# KiCad board q2v2.kicad_pcb (continued)
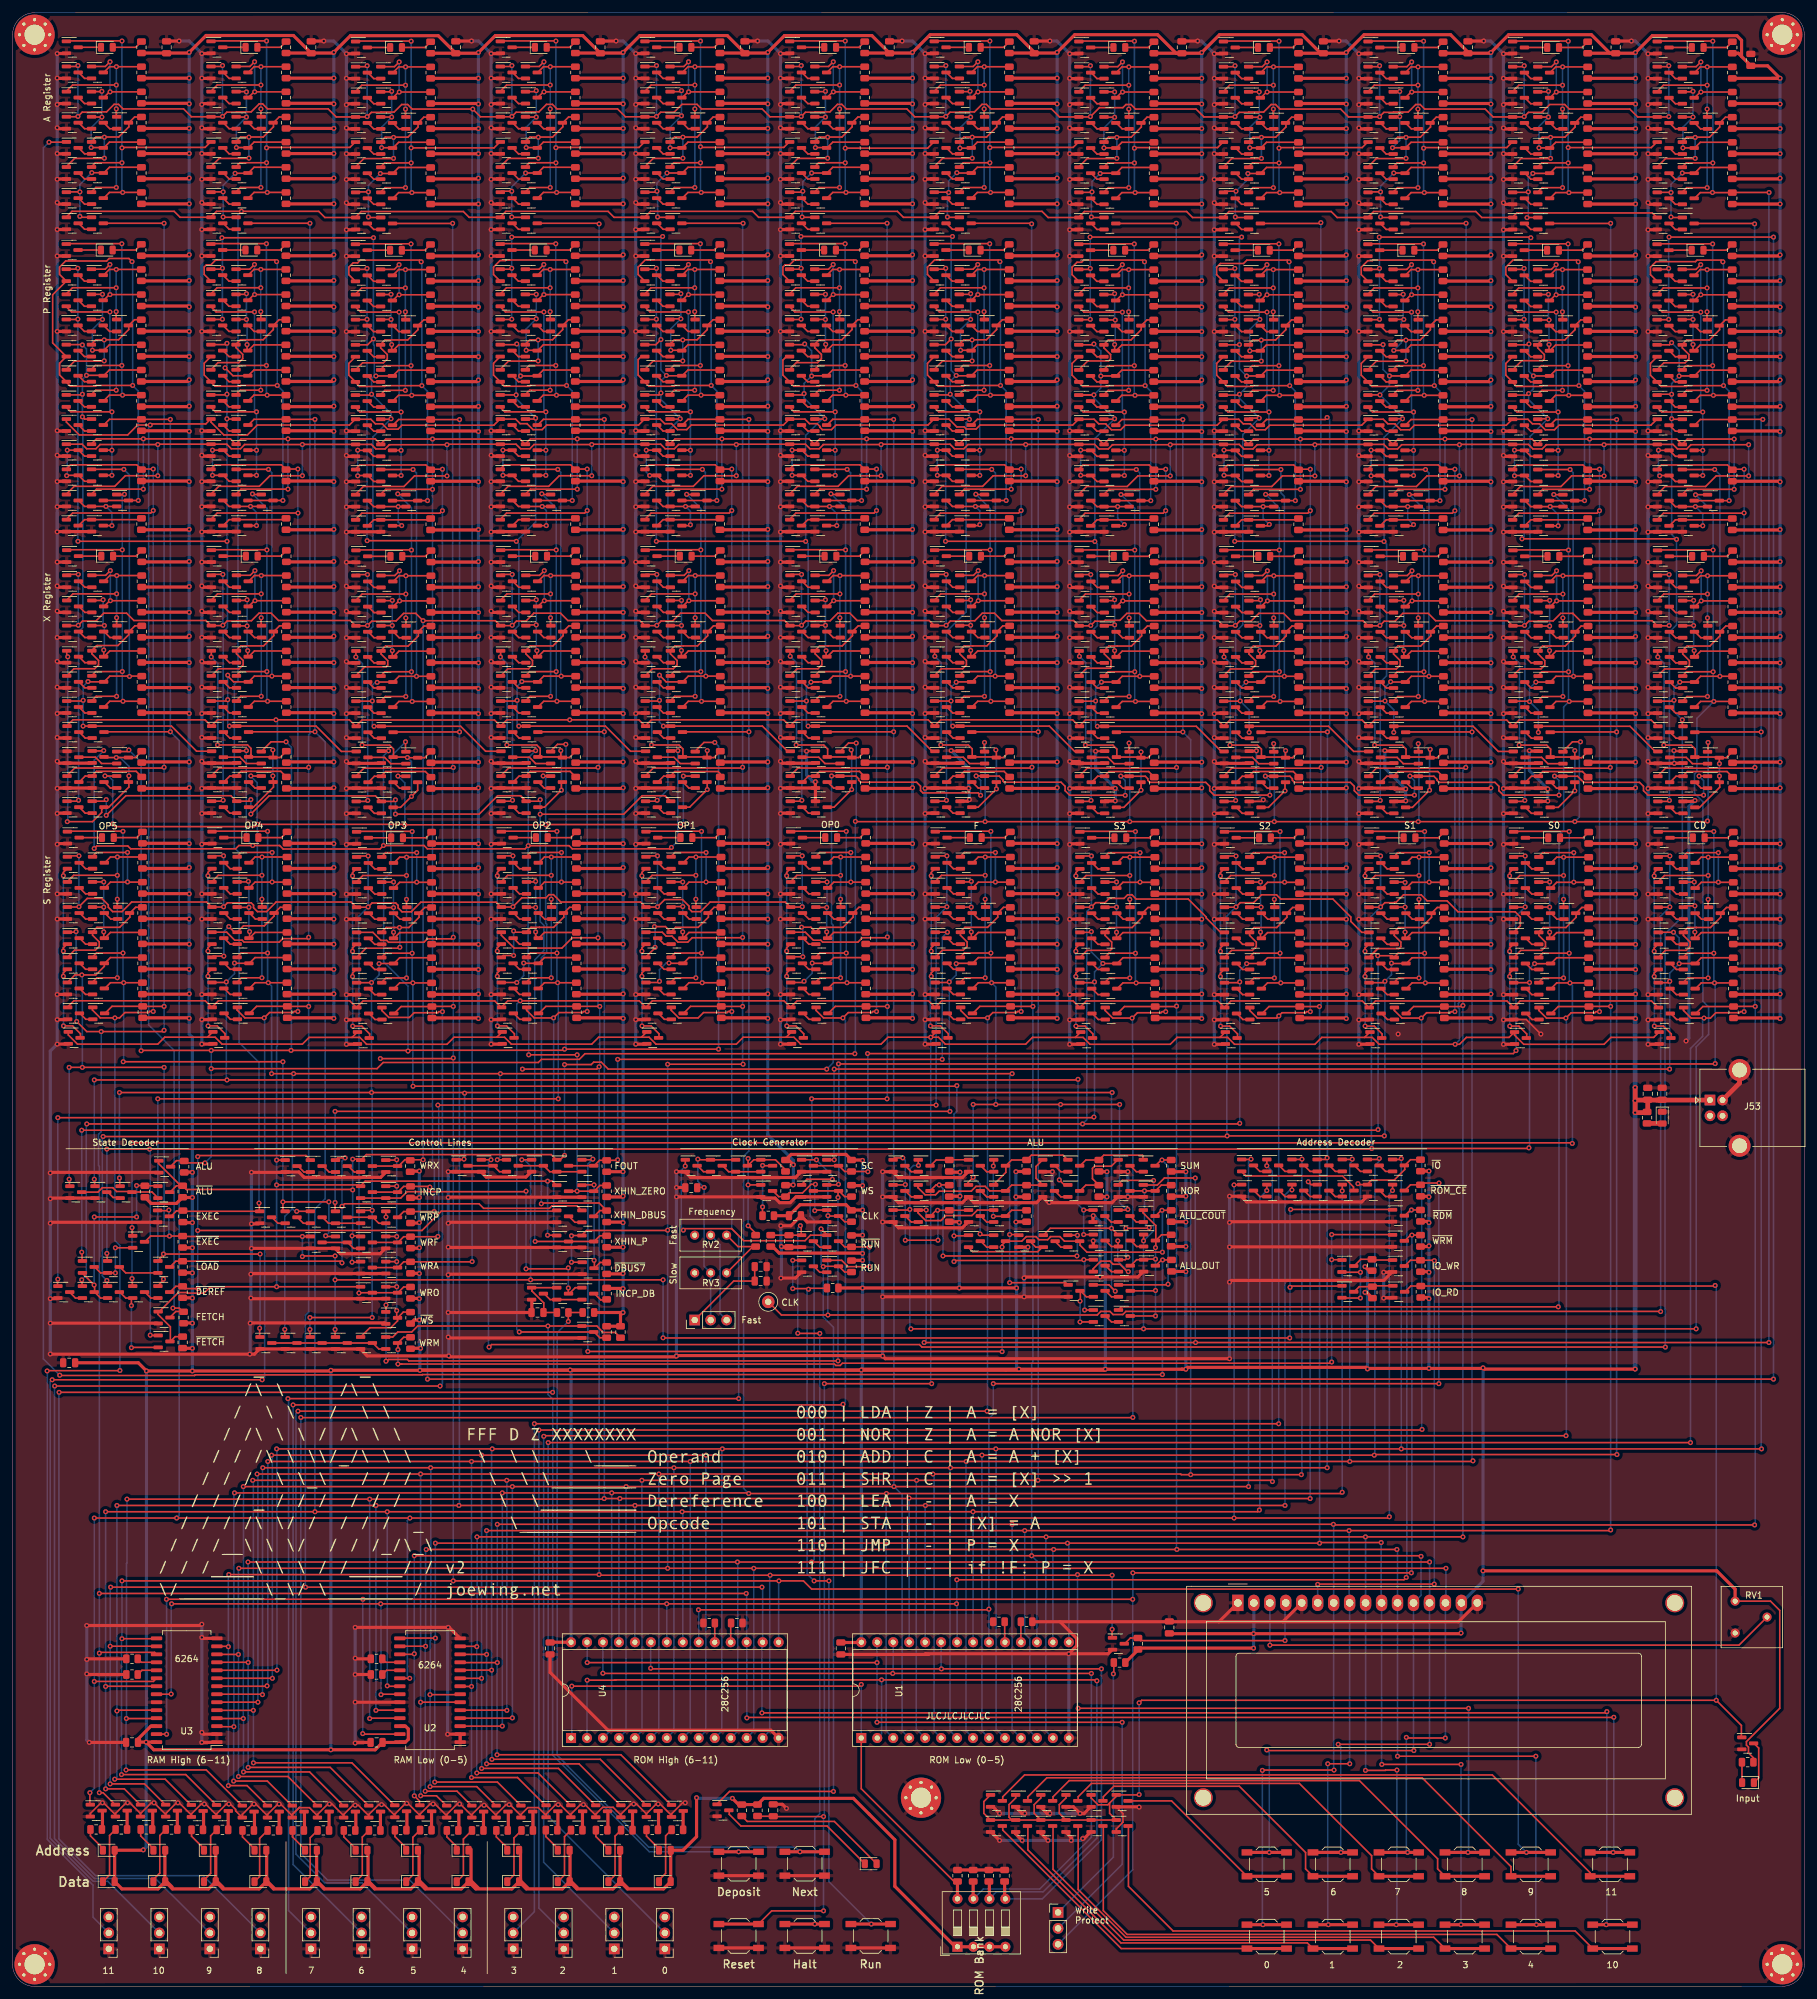
[diagram p0: board, top side]
## Placement (name value [footprint] x y rotation side) (continued)
R353  10k  [R_0805_2012Metric]  204.53 260.24 90 top
R354  10k  [R_0805_2012Metric]  204.71 158.76 90 top
R355  10k  [R_0805_2012Metric]  204.71 174.76 90 top
R356  4.7k  [R_0805_2012Metric]  204.71 182.76 90 top
R357  10k  [R_0805_2012Metric]  204.71 162.76 90 top
R358  10k  [R_0805_2012Metric]  204.71 178.76 90 top
R359  10k  [R_0805_2012Metric]  204.71 170.76 90 top
R360  10k  [R_0805_2012Metric]  204.71 166.76 90 top
R361  10k  [R_0805_2012Metric]  227.55 248.4 90 top
R362  10k  [R_0805_2012Metric]  227.75 155 90 top
R363  10k  [R_0805_2012Metric]  227.55 284.5 90 top
R364  10k  [R_0805_2012Metric]  227.55 300.5 90 top
R365  4.7k  [R_0805_2012Metric]  227.55 308.5 90 top
R366  10k  [R_0805_2012Metric]  227.55 288.5 90 top
R367  10k  [R_0805_2012Metric]  227.55 304.5 90 top
R368  10k  [R_0805_2012Metric]  227.55 296.5 90 top
R369  10k  [R_0805_2012Metric]  227.55 292.5 90 top
R370  10k  [R_0805_2012Metric]  227.6 195.6 90 top
R371  10k  [R_0805_2012Metric]  227.6 191.5 90 top
R372  10k  [R_0805_2012Metric]  227.6 203.54 90 top
R373  10k  [R_0805_2012Metric]  227.6 219.54 90 top
R374  4.7k  [R_0805_2012Metric]  227.6 227.54 90 top
R375  10k  [R_0805_2012Metric]  227.6 207.54 90 top
R376  10k  [R_0805_2012Metric]  227.6 223.54 90 top
R377  10k  [R_0805_2012Metric]  227.6 215.54 90 top
R378  10k  [R_0805_2012Metric]  227.6 211.54 90 top
R379  10k  [R_0805_2012Metric]  227.55 240.4 90 top
R380  10k  [R_0805_2012Metric]  227.55 232.65 90 top
R381  10k  [R_0805_2012Metric]  227.53 252.24 90 top
R382  10k  [R_0805_2012Metric]  227.53 268.24 90 top
R383  4.7k  [R_0805_2012Metric]  227.53 276.24 90 top
R384  10k  [R_0805_2012Metric]  227.53 256.24 90 top
R385  10k  [R_0805_2012Metric]  227.53 272.24 90 top
R386  10k  [R_0805_2012Metric]  227.53 264.24 90 top
R387  10k  [R_0805_2012Metric]  227.53 260.24 90 top
R388  10k  [R_0805_2012Metric]  227.71 158.76 90 top
R389  10k  [R_0805_2012Metric]  227.71 174.76 90 top
R390  4.7k  [R_0805_2012Metric]  227.71 182.76 90 top
R391  10k  [R_0805_2012Metric]  227.71 162.76 90 top
R392  10k  [R_0805_2012Metric]  227.71 178.76 90 top
R393  10k  [R_0805_2012Metric]  227.71 170.76 90 top
R394  10k  [R_0805_2012Metric]  227.71 166.76 90 top
R395  10k  [R_0805_2012Metric]  250.55 248.4 90 top
R396  10k  [R_0805_2012Metric]  250.75 155 90 top
R397  10k  [R_0805_2012Metric]  250.55 284.5 90 top
R398  10k  [R_0805_2012Metric]  250.55 300.5 90 top
R399  4.7k  [R_0805_2012Metric]  250.55 308.5 90 top
R400  10k  [R_0805_2012Metric]  250.55 288.5 90 top
R401  10k  [R_0805_2012Metric]  250.55 304.5 90 top
R402  10k  [R_0805_2012Metric]  250.55 296.5 90 top
R403  10k  [R_0805_2012Metric]  250.55 292.5 90 top
R404  10k  [R_0805_2012Metric]  250.6 195.6 90 top
R405  10k  [R_0805_2012Metric]  250.6 191.5 90 top
R406  10k  [R_0805_2012Metric]  250.6 203.54 90 top
R407  10k  [R_0805_2012Metric]  250.6 219.54 90 top
R408  4.7k  [R_0805_2012Metric]  250.6 227.54 90 top
R409  10k  [R_0805_2012Metric]  250.6 207.54 90 top
R410  10k  [R_0805_2012Metric]  250.6 223.54 90 top
R411  10k  [R_0805_2012Metric]  250.6 215.54 90 top
R412  10k  [R_0805_2012Metric]  250.6 211.54 90 top
R413  10k  [R_0805_2012Metric]  250.55 240.4 90 top
R414  10k  [R_0805_2012Metric]  250.55 232.65 90 top
R415  10k  [R_0805_2012Metric]  250.53 252.24 90 top
R416  10k  [R_0805_2012Metric]  250.53 268.24 90 top
R417  4.7k  [R_0805_2012Metric]  250.53 276.24 90 top
R418  10k  [R_0805_2012Metric]  250.53 256.24 90 top
R419  10k  [R_0805_2012Metric]  250.53 272.24 90 top
R420  10k  [R_0805_2012Metric]  250.53 264.24 90 top
R421  10k  [R_0805_2012Metric]  250.53 260.24 90 top
R422  10k  [R_0805_2012Metric]  250.71 158.76 90 top
R423  10k  [R_0805_2012Metric]  250.71 174.76 90 top
R424  4.7k  [R_0805_2012Metric]  250.71 182.76 90 top
R425  10k  [R_0805_2012Metric]  250.71 162.76 90 top
R426  10k  [R_0805_2012Metric]  250.71 178.76 90 top
R427  10k  [R_0805_2012Metric]  250.71 170.76 90 top
R428  10k  [R_0805_2012Metric]  250.71 166.76 90 top
R429  10k  [R_0805_2012Metric]  273.55 248.4 90 top
R430  10k  [R_0805_2012Metric]  273.75 155 90 top
R431  10k  [R_0805_2012Metric]  273.55 284.5 90 top
R432  10k  [R_0805_2012Metric]  273.55 300.5 90 top
R433  4.7k  [R_0805_2012Metric]  273.55 308.5 90 top
R434  10k  [R_0805_2012Metric]  273.55 288.5 90 top
R435  10k  [R_0805_2012Metric]  273.55 304.5 90 top
R436  10k  [R_0805_2012Metric]  273.55 296.5 90 top
R437  10k  [R_0805_2012Metric]  273.55 292.5 90 top
R438  10k  [R_0805_2012Metric]  273.6 195.6 90 top
R439  10k  [R_0805_2012Metric]  273.6 191.5 90 top
R440  10k  [R_0805_2012Metric]  273.6 203.54 90 top
R441  10k  [R_0805_2012Metric]  273.6 219.54 90 top
R442  4.7k  [R_0805_2012Metric]  273.6 227.54 90 top
R443  10k  [R_0805_2012Metric]  273.6 207.54 90 top
R444  10k  [R_0805_2012Metric]  273.6 223.54 90 top
R445  10k  [R_0805_2012Metric]  273.6 215.54 90 top
R446  10k  [R_0805_2012Metric]  273.6 211.54 90 top
R447  10k  [R_0805_2012Metric]  273.55 240.4 90 top
R448  10k  [R_0805_2012Metric]  273.55 232.65 90 top
R449  10k  [R_0805_2012Metric]  273.53 252.24 90 top
R450  10k  [R_0805_2012Metric]  273.53 268.24 90 top
R451  4.7k  [R_0805_2012Metric]  273.53 276.24 90 top
R452  10k  [R_0805_2012Metric]  273.53 256.24 90 top
R453  10k  [R_0805_2012Metric]  273.53 272.24 90 top
R454  10k  [R_0805_2012Metric]  273.53 264.24 90 top
R455  10k  [R_0805_2012Metric]  273.53 260.24 90 top
R456  10k  [R_0805_2012Metric]  273.71 158.76 90 top
R457  10k  [R_0805_2012Metric]  273.71 174.76 90 top
R458  4.7k  [R_0805_2012Metric]  273.71 182.76 90 top
R459  10k  [R_0805_2012Metric]  273.71 162.76 90 top
R460  10k  [R_0805_2012Metric]  273.71 178.76 90 top
R461  10k  [R_0805_2012Metric]  273.71 170.76 90 top
R462  10k  [R_0805_2012Metric]  273.71 166.76 90 top
R463  10k  [R_0805_2012Metric]  223.95 114.63 90 top
R464  10k  [R_0805_2012Metric]  57.9 52.13 180 top
R465  10k  [R_0805_2012Metric]  216.25 114.78 90 top
R466  4.7k  [R_0805_2012Metric]  13.3 24.98 0 top
R467  10k  [R_0805_2012Metric]  19 49.63 180 top
R468  4.7k  [R_0805_2012Metric]  17.3 24.98 0 top
R469  10k  [R_0805_2012Metric]  19 52.13 180 top
R470  10k  [R_0805_2012Metric]  223.95 130.63 90 top
R471  10k  [R_0805_2012Metric]  223.95 126.63 90 top
R472  10k  [R_0805_2012Metric]  223.95 118.63 90 top
R473  10k  [R_0805_2012Metric]  223.95 122.63 90 top
R474  4.7k  [R_0805_2012Metric]  21.29 24.97 0 top
R475  4.7k  [R_0805_2012Metric]  25.29 24.97 0 top
R476  10k  [R_0805_2012Metric]  118.5 28.03 270 top
R477  10k  [R_0805_2012Metric]  96.7 104.13 270 top
R478  10k  [R_0805_2012Metric]  94.5 104.13 270 top
R479  4.7k  [R_0805_2012Metric]  29.38 24.92 0 top
R480  4.7k  [R_0805_2012Metric]  33.38 24.92 0 top
R481  10k  [R_0805_2012Metric]  179 54.53 90 top
R482  4.7k  [R_0805_2012Metric]  37.48 24.82 0 top
R483  4.7k  [R_0805_2012Metric]  41.48 24.82 0 top
R484  4.7k  [R_0805_2012Metric]  45.43 24.82 0 top
R485  4.7k  [R_0805_2012Metric]  49.43 24.82 0 top
R486  4.7k  [R_0805_2012Metric]  53.6 24.82 0 top
R487  4.7k  [R_0805_2012Metric]  57.6 24.82 0 top
R488  4.7k  [R_0805_2012Metric]  61.73 24.87 0 top
R489  4.7k  [R_0805_2012Metric]  65.73 24.87 0 top
R490  4.7k  [R_0805_2012Metric]  69.99 24.82 0 top
R491  4.7k  [R_0805_2012Metric]  73.99 24.82 0 top
R492  4.7k  [R_0805_2012Metric]  77.86 24.82 0 top
R493  4.7k  [R_0805_2012Metric]  81.86 24.82 0 top
R494  4.7k  [R_0805_2012Metric]  85.74 24.87 0 top
R495  4.7k  [R_0805_2012Metric]  89.74 24.87 0 top
R496  4.7k  [R_0805_2012Metric]  93.7 24.87 0 top
R497  4.7k  [R_0805_2012Metric]  97.7 24.87 0 top
R498  4.7k  [R_0805_2012Metric]  101.75 24.92 0 top
R499  4.7k  [R_0805_2012Metric]  105.75 24.92 0 top
R500  4.7k  [R_0805_2012Metric]  116 28.03 270 top
R501  10k  [R_0805_2012Metric]  161.3 58.03 0 top
R502  10k  [R_0805_2012Metric]  156.9 58.03 180 top
R503  10k  [R_0805_2012Metric]  115.2 57.83 0 top
R504  10k  [R_0805_2012Metric]  110.8 57.83 180 top
R505  10k  [R_0805_2012Metric]  176.09 51.53 0 top
R506  10k  [R_0805_2012Metric]  157.8 17.61 90 top
R507  10k  [R_0805_2012Metric]  155.3 17.61 90 top
R508  10k  [R_0805_2012Metric]  152.8 17.61 90 top
R509  10k  [R_0805_2012Metric]  150.3 17.61 90 top
RV1  10k  [Potentiometer_Bourns_3386F_Vertical]  274 56.23 0 top
RV2  1m  [Potentiometer_Bourns_3296W_Vertical]  108.5 119.53 180 top
RV3  1m  [Potentiometer_Bourns_3296W_Vertical]  108.5 113.53 180 top
SW1  Input  [SW_SPST_TL3342]  254.1 19.43 0 top
SW2  SW  [PinHeader_1x03_P2.54mm_Vertical]  15.3 5.98 180 top
SW3  SW  [PinHeader_1x03_P2.54mm_Vertical]  23.34 5.98 180 top
SW4  Reset  [SW_SPST_TL3342]  115.5 8.03 0 top
SW5  Deposit  [SW_SPST_TL3342]  115.5 19.53 0 top
SW6  Run  [SW_SPST_TL3342]  136.5 8.03 0 top
SW7  Halt  [SW_SPST_TL3342]  126 8.03 0 top
SW8  Next  [SW_SPST_TL3342]  126 19.53 0 top
SW9  SW  [PinHeader_1x03_P2.54mm_Vertical]  31.38 5.98 180 top
SW10  Input  [SW_SPST_TL3342]  254.5 7.93 0 top
SW11  Input  [SW_SPST_TL3342]  241.5 19.43 0 top
SW12  SW  [PinHeader_1x03_P2.54mm_Vertical]  39.42 5.98 180 top
SW14  Input  [SW_SPST_TL3342]  231 19.43 0 top
SW15  Input  [SW_SPST_TL3342]  220.5 19.43 0 top
SW16  SW  [PinHeader_1x03_P2.54mm_Vertical]  47.46 5.98 180 top
SW17  SW  [PinHeader_1x03_P2.54mm_Vertical]  55.5 5.98 180 top
SW18  SW  [PinHeader_1x03_P2.54mm_Vertical]  63.55 5.98 180 top
SW19  SW  [PinHeader_1x03_P2.54mm_Vertical]  71.59 5.98 180 top
SW20  SW  [PinHeader_1x03_P2.54mm_Vertical]  79.63 5.98 180 top
SW21  SW  [PinHeader_1x03_P2.54mm_Vertical]  87.67 5.98 180 top
SW22  SW  [PinHeader_1x03_P2.54mm_Vertical]  95.71 5.98 180 top
SW23  SW  [PinHeader_1x03_P2.54mm_Vertical]  103.75 5.98 180 top
SW24  Speed  [PinHeader_1x03_P2.54mm_Vertical]  108.5 106.03 90 top
SW25  Input  [SW_SPST_TL3342]  210 19.43 0 top
SW26  Input  [SW_SPST_TL3342]  199.5 19.43 0 top
SW27  Input  [SW_SPST_TL3342]  241.5 7.93 0 top
SW28  Input  [SW_SPST_TL3342]  231 7.93 0 top
SW29  Input  [SW_SPST_TL3342]  220.5 7.93 0 top
SW30  Input  [SW_SPST_TL3342]  210 7.93 0 top
SW31  Input  [SW_SPST_TL3342]  199.5 7.93 0 top
SW32  Write Protect  [PinHeader_1x03_P2.54mm_Vertical]  166.3 11.78 0 top
SW33  ROM Bank  [SW_DIP_SPSTx04_Slide_9.78x12.34mm_W7.62mm_P2.54mm]  150.3 6.31 90 top
TP1  CLK  [TestPoint_Loop_D2.50mm_Drill1.0mm]  120.2 108.93 0 top
U1  28C256  [DIP-28_W15.24mm_Socket]  135 39.53 90 top
U2  6264  [SOIC-28W_7.5x18.7mm_P1.27mm]  66.4 47.13 180 top
U3  6264  [SOIC-28W_7.5x18.7mm_P1.27mm]  27.7 47.13 180 top
U4  28C256  [DIP-28_W15.24mm_Socket]  88.83 39.53 90 top

## Library data of the parts
C1-C3 C5-C16 C19-C23 = -: LCSC: C49678
C4 = -: LCSC: C1710
C17 C18 C24-C27 = -: LCSC: C13967
D1-D48 D73-D75 = -: LCSC: C2293
D49-D72 = -: LCSC: C34499
Q1-Q1158 = -: LCSC: C8545
R1-R3 R5-R10 R12-R19 R21-R28 R30-R39 R41-R48 R50-R57 R59-R64 R66-R78 R80-R82 R84 R85 R87 R89-R91 R93-R96 R99-R110 R113-R126 R128-R135 R137-R144 R146-R151 R153-R160 R162-R169 R171-R178 R180-R185 R187-R194 R196-R203 R205-R212 R214-R219 R221-R228 R230-R237 R239-R246 R248-R253 R255-R262 R264-R271 R273-R280 R282-R287 R289-R296 R298-R305 R307-R314 R316-R321 R323-R330 R332-R339 R341-R348 R350-R355 R357-R364 R366-R373 R375-R382 R384-R389 R391-R398 R400-R407 R409-R416 R418-R423 R425-R432 R434-R441 R443-R450 R452-R457 R459-R465 R467 R469-R473 R476-R478 R481 R501-R509 = -: LCSC: C17414
R4 R11 R20 R29 R40 R49 R58 R65 R111 R112 R127 R136 R145 R152 R161 R170 R179 R186 R195 R204 R213 R220 R229 R238 R247 R254 R263 R272 R281 R288 R297 R306 R315 R322 R331 R340 R349 R356 R365 R374 R383 R390 R399 R408 R417 R424 R433 R442 R451 R458 R466 R468 R474 R475 R479 R480 R482-R500 = -: LCSC: C17673
R79 R83 R86 R88 R92 R97 R98 = -: LCSC: C17513
SW1 SW4-SW8 SW10 SW11 SW14 SW15 SW25-SW31 = -: LCSC: C318884
U2 U3 = -: LCSC: C261872

## Footprints (pads in the part's own frame, mm; a bottom-side part is the same pattern mirrored in y, then rotated)
C_0805_2012Metric
  rrect 1x1.45 smd: 1(-0.95,0) 2(0.95,0)
DIP-28_W15.24mm_Socket
  rect 1.6x1.6 hole 0.8: 1(0,0)
  oval 1.6x1.6 hole 0.8: 2(0,-2.54) 3(0,-5.08) 4(0,-7.62) 5(0,-10.16) 6(0,-12.7) 7(0,-15.24) 8(0,-17.78) 9(0,-20.32) 10(0,-22.86) 11(0,-25.4) 12(0,-27.94) 13(0,-30.48) 14(0,-33.02) 15(15.24,-33.02) 16(15.24,-30.48) 17(15.24,-27.94) 18(15.24,-25.4) 19(15.24,-22.86) 20(15.24,-20.32) 21(15.24,-17.78) 22(15.24,-15.24) 23(15.24,-12.7) 24(15.24,-10.16) 25(15.24,-7.62) 26(15.24,-5.08) 27(15.24,-2.54) 28(15.24,0)
LED_0805_2012Metric
  rrect 0.975x1.4 smd: 1(-0.938,0) 2(0.938,0)
MountingHole_3.2mm_M3_Pad_Via
  round 0.8 hole 0.5: 1(-2.4,0) 1(-1.697,1.697) 1(-1.697,-1.697) 1(0,2.4) 1(0,-2.4) 1(1.697,1.697) 1(1.697,-1.697) 1(2.4,0)
  round 6.4 hole 3.2: 1(0,0)
PinHeader_1x03_P2.54mm_Vertical
  rect 1.7x1.7 hole 1: 1(0,0)
  oval 1.7x1.7 hole 1: 2(0,-2.54) 3(0,-5.08)
Potentiometer_Bourns_3296W_Vertical
  round 1.44 hole 0.8: 1(0,0) 2(-2.54,0) 3(-5.08,0)
Potentiometer_Bourns_3386F_Vertical
  round 1.44 hole 0.8: 1(0,0) 2(5.08,2.54) 3(0,5.08)
R_0805_2012Metric
  rrect 1.025x1.4 smd: 1(-0.912,0) 2(0.912,0)
SOIC-28W_7.5x18.7mm_P1.27mm
  rrect 1.8x0.6 smd: 1(-4.8,8.255) 2(-4.8,6.985) 3(-4.8,5.715) 4(-4.8,4.445) 5(-4.8,3.175) 6(-4.8,1.905) 7(-4.8,0.635) 8(-4.8,-0.635) 9(-4.8,-1.905) 10(-4.8,-3.175) 11(-4.8,-4.445) 12(-4.8,-5.715) 13(-4.8,-6.985) 14(-4.8,-8.255) 15(4.8,-8.255) 16(4.8,-6.985) 17(4.8,-5.715) 18(4.8,-4.445) 19(4.8,-3.175) 20(4.8,-1.905) 21(4.8,-0.635) 22(4.8,0.635) 23(4.8,1.905) 24(4.8,3.175) 25(4.8,4.445) 26(4.8,5.715) 27(4.8,6.985) 28(4.8,8.255)
SOT-23
  rrect 1.475x0.6 smd: 1(-0.938,0.95) 2(-0.938,-0.95) 3(0.938,0)
SW_DIP_SPSTx04_Slide_9.78x12.34mm_W7.62mm_P2.54mm
  rect 1.6x1.6 hole 0.8: 1(0,0)
  oval 1.6x1.6 hole 0.8: 2(0,-2.54) 3(0,-5.08) 4(0,-7.62) 5(7.62,-7.62) 6(7.62,-5.08) 7(7.62,-2.54) 8(7.62,0)
SW_SPST_TL3342
  rect 1.7x1 smd: 1(-3.15,1.9) 1(3.15,1.9) 2(-3.15,-1.9) 2(3.15,-1.9)
TestPoint_Loop_D2.50mm_Drill1.0mm
  round 2 hole 1: 1(0,0)
USB_B_OST_USB-B1HSxx_Horizontal
  rect 1.7x1.7 hole 0.92: 1(0,0)
  round 1.7 hole 0.92: 2(0,-2.5) 3(2,-2.5) 4(2,0)
  round 3.5 hole 2.33: 5(4.71,4.77) 5(4.71,-7.27)
WC1602A
  round 3 hole 2.5: (-5.499,0) (-5.499,-31.001) (69.499,-31.001) (69.5,0)
  rect 1.8x2.6 hole 1.2: 1(0,0)
  oval 1.8x2.6 hole 1.2: 2(2.54,0) 3(5.08,0) 4(7.62,0) 5(10.16,0) 6(12.7,0) 7(15.24,0) 8(17.78,0) 9(20.32,0) 10(22.86,0) 11(25.4,0) 12(27.94,0) 13(30.48,0) 14(33.02,0) 15(35.56,0) 16(38.1,0)

## Nets
GND: C1.2 C2.2 C3.1 C4.1 C5.1 C6.1 C7.2 C8.2 C9.2 C10.2 C11.2 C12.2 C13.2 C14.2 C15.2 C16.2 C17.2 C18.2 C19.1 C20.1 C21.1 C22.1 C23.1 C24.1 C25.2 C26.1 C27.2 D73.1 DS1.1 DS1.5 DS1.16 H1.1 H2.1 H3.1 H4.1 H5.1 J53.4 J53.5 Q1.2 Q3.2 Q4.2 Q6.2 Q9.2 Q10.2 Q13.2 Q14.2 Q17.2 Q19.2 Q20.2 Q25.2 Q26.2 Q27.2 Q28.2 Q29.1 Q29.2 Q30.2 Q33.2 Q34.2 Q37.2 Q38.2 Q41.2 Q43.2 Q44.2 Q46.2 Q51.2 Q52.2 Q53.2 Q54.2 Q55.2 Q66.2 Q69.2 Q70.2 Q71.2 Q74.2 Q75.2 Q82.2 Q86.2 Q88.2 Q91.2 Q92.2 Q93.2 Q96.2 Q97.2 Q100.2 Q102.2 Q107.2 Q108.2 Q109.2 Q110.2 Q111.2 Q112.2 Q115.2 Q116.2 Q117.2 Q120.2 Q121.2 Q124.2 Q126.2 Q128.2 Q133.2 Q134.2 Q135.2 Q136.2 Q137.2 Q142.2 Q149.2 Q152.2 Q153.2 Q156.2 Q157.2 Q158.2 Q165.2 Q177.2 Q180.2 Q181.2 Q182.2 Q183.2 Q184.2 Q185.2 Q186.2 Q187.2 Q188.2 Q190.2 Q191.2 Q192.2 Q193.2 Q194.2 Q197.2 Q198.2 Q200.2 Q202.2 Q205.2 Q206.2 Q210.2 Q215.2 Q217.2 Q219.2 Q220.2 Q221.2 Q222.2 Q223.2 Q224.2 Q225.2 Q226.2 Q227.2 Q230.2 Q231.2 Q233.2 Q234.2 Q235.2 Q238.2 Q239.2 Q242.2 Q244.2 Q247.2 Q248.2 Q249.2 Q252.2 Q255.2 Q258.2 Q259.2 Q260.2 Q261.2 Q266.2 Q274.2 Q279.2 Q280.2 Q281.2 Q282.2 Q283.2 Q285.2 Q287.2 Q290.2 Q291.2 Q292.2 Q295.2 Q296.2 Q299.2 Q301.2 Q306.2 Q307.2 Q308.2 Q309.2 Q310.2 Q311.2 Q314.2 Q315.2 Q316.2 Q319.2 Q320.2 Q323.2 Q325.2 Q327.2 Q332.2 Q333.2 Q334.2 Q335.2 Q336.2 Q341.2 Q348.2 Q351.2 Q352.2 Q355.2 Q356.2 Q357.2 Q364.2 Q368.2 Q370.2 Q373.2 Q374.2 Q375.2 Q378.2 Q379.2 Q382.2 Q384.2 Q389.2 Q390.2 Q391.2 Q392.2 Q393.2 Q394.2 Q397.2 Q398.2 Q399.2 Q402.2 Q403.2 Q406.2 Q408.2 Q410.2 Q415.2 Q416.2 Q417.2 Q418.2 Q419.2 Q424.2 Q431.2 Q434.2 Q435.2 Q438.2 Q439.2 Q440.2 Q447.2 Q451.2 Q453.2 Q456.2 Q457.2 Q458.2 Q461.2 Q462.2 Q465.2 Q467.2 Q472.2 Q473.2 Q474.2 Q475.2 Q476.2 Q477.2 Q480.2 Q481.2 Q482.2 Q485.2 Q486.2 Q489.2 Q491.2 Q493.2 Q498.2 Q499.2 Q500.2 Q501.2 Q502.2 Q507.2 Q514.2 Q517.2 Q518.2 Q521.2 Q522.2 Q523.2 Q530.2 Q534.2 Q536.2 Q539.2 Q540.2 Q541.2 Q544.2 Q545.2 Q548.2 Q550.2 Q553.1 Q555.1 Q555.2 Q556.2 Q557.2 Q558.2 Q559.2 Q560.2 Q563.2 Q564.2 Q565.2 Q568.2 Q569.2 Q572.2 Q574.2 Q576.2 Q581.2 Q582.2 Q583.2 Q584.2 Q585.2 Q590.2 Q597.2 Q600.2 Q604.2 Q605.2 Q606.2 Q613.2 Q617.2 Q619.2 Q622.2 Q623.2 Q624.2 Q627.2 Q628.2 Q631.2 Q633.2 Q636.1 Q638.1 Q638.2 Q639.2 Q640.2 Q641.2 Q642.2 Q643.2 Q646.2 Q647.2 Q648.2 Q651.2 Q652.2 Q655.2 Q657.2 Q659.2 Q664.2 Q665.2 Q666.2 Q667.2 Q668.2 Q673.2 Q680.2 Q687.2 Q688.2 Q689.2 Q696.2 Q700.2 Q702.2 Q705.2 Q706.2 Q707.2 Q710.2 Q711.2 Q714.2 Q716.2 Q719.1 Q721.1 Q721.2 Q722.2 Q723.2 Q724.2 Q725.2 Q726.2 Q729.2 Q730.2 Q731.2 Q734.2 Q735.2 Q738.2 Q740.2 Q742.2 Q747.2 Q748.2 Q749.2 Q750.2 Q751.2 Q756.2 Q763.2 Q770.2 Q771.2 Q772.2 Q779.2 Q783.2 Q785.2 Q788.2 Q789.2 Q790.2 Q793.2 Q794.2 Q797.2 Q799.2 Q802.1 Q804.1 Q804.2 Q805.2 Q806.2 Q807.2 Q808.2 Q809.2 Q812.2 Q813.2 Q814.2 Q817.2 Q818.2 Q821.2 Q823.2 Q825.2 Q830.2 Q831.2 Q832.2 Q833.2 Q834.2 Q839.2 Q846.2 Q853.2 Q854.2 Q855.2 Q862.2 Q866.2 Q868.2 Q871.2 Q872.2 Q873.2 Q876.2 Q877.2 Q880.2 Q882.2 Q885.1 Q887.1 Q887.2 Q888.2 Q889.2 Q890.2 Q891.2 Q892.2 Q895.2 Q896.2 Q897.2 Q900.2 Q901.2 Q904.2 Q906.2 Q908.2 Q913.2 Q914.2 Q915.2 Q916.2 Q917.2 Q922.2 Q929.2 Q936.2 Q937.2 Q938.2 Q945.2 Q949.2 Q951.2 Q954.2 Q955.2 Q956.2 Q959.2 Q960.2 Q963.2 Q965.2 Q968.1 Q970.1 Q970.2 Q971.2 Q972.2 Q973.2 Q974.2 Q975.2 Q978.2 Q979.2 Q980.2 Q983.2 Q984.2 Q987.2 Q989.2 Q991.2 Q996.2 Q997.2 Q998.2 Q999.2 Q1000.2 Q1005.2 Q1012.2 Q1019.2 Q1020.2 Q1021.2 Q1028.2 Q1032.2 Q1034.2 Q1037.2 Q1038.2 Q1039.2 Q1042.2 Q1043.2 Q1046.2 Q1048.2 Q1051.1 Q1053.1 Q1053.2 Q1054.2 Q1055.2 Q1056.2 Q1057.2 Q1058.2 Q1061.2 Q1062.2 Q1063.2 Q1066.2 Q1067.2 Q1070.2 Q1072.2 Q1074.2 Q1079.2 Q1080.2 Q1081.2 Q1082.2 Q1083.2 Q1088.2 Q1095.2 Q1099.2 Q1102.2 Q1103.2 Q1104.2 Q1111.2 Q1114.2 Q1115.2 Q1116.2 Q1117.2 Q1119.2 Q1120.2 Q1121.2 Q1122.2 Q1123.2 Q1124.2 Q1125.2 Q1126.2 Q1127.2 Q1128.2 Q1129.2 Q1130.2 Q1131.2 Q1132.2 Q1133.2 Q1134.2 Q1135.2 Q1136.2 Q1137.2 Q1138.2 Q1139.2 Q1140.2 Q1141.2 Q1142.2 Q1143.2 Q1144.2 Q1145.2 Q1146.2 Q1147.2 Q1148.2 Q1149.2 Q1150.2 Q1151.2 Q1152.2 Q1153.2 Q1154.2 Q1155.2 Q1156.2 Q1157.2 Q1158.2 R1.2 R464.2 R467.2 R469.2 R501.2 R502.2 R503.2 R504.2 R506.2 R507.2 R508.2 R509.2 RV1.1 SW2.1 SW3.1 SW4.2 SW5.2 SW6.2 SW7.2 SW8.2 SW9.1 SW12.1 SW16.1 SW17.1 SW18.1 SW19.1 SW20.1 SW21.1 SW22.1 SW23.1 U1.14 U2.1 U2.2 U2.14 U2.23 U3.1 U3.2 U3.14 U3.23 U4.14
VCC: C1.1 C2.1 C3.2 C7.1 C8.1 C9.1 C10.1 C11.1 C12.1 C13.1 C14.1 C15.1 C16.1 C17.1 C18.1 C19.2 C20.2 C21.2 C22.2 C25.1 C27.1 D49.2 D50.2 D51.2 D52.2 D53.2 D54.2 D55.2 D56.2 D57.2 D58.2 D59.2 D60.2 D61.2 D62.2 D63.2 D64.2 D65.2 D66.2 D67.2 D68.2 D69.2 D70.2 D71.2 D72.2 DS1.2 DS1.15 J53.1 R2.1 R3.1 R4.1 R5.1 R6.1 R7.1 R8.1 R9.1 R10.1 R11.1 R12.1 R13.1 R14.1 R15.1 R16.1 R17.1 R18.1 R19.1 R20.1 R21.1 R22.1 R23.1 R24.1 R25.1 R26.1 R27.1 R28.1 R29.1 R30.1 R31.1 R32.1 R33.1 R34.1 R35.1 R36.1 R37.1 R38.1 R39.1 R40.1 R41.1 R42.1 R43.1 R44.1 R45.1 R46.1 R47.1 R48.1 R49.1 R50.1 R51.1 R52.1 R53.1 R54.1 R55.1 R56.1 R57.1 R58.1 R59.1 R60.1 R61.1 R62.1 R63.1 R64.1 R65.1 R66.1 R67.1 R68.1 R69.1 R70.1 R71.1 R72.1 R73.1 R74.1 R75.1 R76.1 R77.1 R78.1 R79.1 R80.1 R81.1 R82.1 R83.1 R84.1 R85.1 R86.1 R87.1 R88.1 R89.1 R90.1 R91.1 R92.1 R94.1 R95.1 R96.1 R97.1 R98.1 R99.1 R100.1 R101.1 R102.1 R103.1 R104.1 R105.1 R107.1 R108.1 R109.1 R110.1 R111.1 R112.1 R113.1 R114.1 R115.1 R116.1 R117.1 R118.1 R119.1 R120.1 R121.1 R122.1 R123.1 R124.1 R125.1 R126.1 R127.1 R128.1 R129.1 R130.1 R131.1 R132.1 R133.1 R134.1 R135.1 R136.1 R137.1 R138.1 R139.1 R140.1 R141.1 R142.1 R143.1 R144.1 R145.1 R146.1 R147.1 R148.1 R149.1 R150.1 R151.1 R152.1 R153.1 R154.1 R155.1 R156.1 R157.1 R158.1 R159.1 R160.1 R161.1 R162.1 R163.1 R164.1 R165.1 R166.1 R167.1 R168.1 R169.1 R170.1 R171.1 R172.1 R173.1 R174.1 R175.1 R176.1 R177.1 R178.1 R179.1 R180.1 R181.1 R182.1 R183.1 R184.1 R185.1 R186.1 R187.1 R188.1 R189.1 R190.1 R191.1 R192.1 R193.1 R194.1 R195.1 R196.1 R197.1 R198.1 R199.1 R200.1 R201.1 R202.1 R203.1 R204.1 R205.1 R206.1 R207.1 R208.1 R209.1 R210.1 R211.1 R212.1 R213.1 R214.1 R215.1 R216.1 R217.1 R218.1 R219.1 R220.1 R221.1 R222.1 R223.1 R224.1 R225.1 R226.1 R227.1 R228.1 R229.1 R230.1 R231.1 R232.1 R233.1 R234.1 R235.1 R236.1 R237.1 R238.1 R239.1 R240.1 R241.1 R242.1 R243.1 R244.1 R245.1 R246.1 R247.1 R248.1 R249.1 R250.1 R251.1 R252.1 R253.1 R254.1 R255.1 R256.1 R257.1 R258.1 R259.1 R260.1 R261.1 R262.1 R263.1 R264.1 R265.1 R266.1 R267.1 R268.1 R269.1 R270.1 R271.1 R272.1 R273.1 R274.1 R275.1 R276.1 R277.1 R278.1 R279.1 R280.1 R281.1 R282.1 R283.1 R284.1 R285.1 R286.1 R287.1 R288.1 R289.1 R290.1 R291.1 R292.1 R293.1 R294.1 R295.1 R296.1 R297.1 R298.1 R299.1 R300.1 R301.1 R302.1 R303.1 R304.1 R305.1 R306.1 R307.1 R308.1 R309.1 R310.1 R311.1 R312.1 R313.1 R314.1 R315.1 R316.1 R317.1 R318.1 R319.1 R320.1 R321.1 R322.1 R323.1 R324.1 R325.1 R326.1 R327.1 R328.1 R329.1 R330.1 R331.1 R332.1 R333.1 R334.1 R335.1 R336.1 R337.1 R338.1 R339.1 R340.1 R341.1 R342.1 R343.1 R344.1 R345.1 R346.1 R347.1 R348.1 R349.1 R350.1 R351.1 R352.1 R353.1 R354.1 R355.1 R356.1 R357.1 R358.1 R359.1 R360.1 R361.1 R362.1 R363.1 R364.1 R365.1 R366.1 R367.1 R368.1 R369.1 R370.1 R371.1 R372.1 R373.1 R374.1 R375.1 R376.1 R377.1 R378.1 R379.1 R380.1 R381.1 R382.1 R383.1 R384.1 R385.1 R386.1 R387.1 R388.1 R389.1 R390.1 R391.1 R392.1 R393.1 R394.1 R395.1 R396.1 R397.1 R398.1 R399.1 R400.1 R401.1 R402.1 R403.1 R404.1 R405.1 R406.1 R407.1 R408.1 R409.1 R410.1 R411.1 R412.1 R413.1 R414.1 R415.1 R416.1 R417.1 R418.1 R419.1 R420.1 R421.1 R422.1 R423.1 R424.1 R425.1 R426.1 R427.1 R428.1 R429.1 R430.1 R431.1 R432.1 R433.1 R434.1 R435.1 R436.1 R437.1 R438.1 R439.1 R440.1 R441.1 R442.1 R443.1 R444.1 R445.1 R446.1 R447.1 R448.1 R449.1 R450.1 R451.1 R452.1 R453.1 R454.1 R455.1 R456.1 R457.1 R458.1 R459.1 R460.1 R461.1 R462.1 R463.1 R465.1 R470.1 R471.1 R472.1 R473.1 R476.1 R477.1 R478.1 R481.1 R500.1 R505.2 RV1.3 SW33.1 SW33.2 SW33.3 SW33.4 U1.28 U2.26 U2.28 U3.26 U3.28 U4.28
/ALU/ALU_NOR: Q271.1 Q282.3 Q283.3 R122.2
/ALU/ALU_SUM: Q257.3 Q272.1 R117.2
/ALU/~{ALU_OUT}: Q261.1 Q263.1 Q270.3 Q271.3 Q272.3 Q273.3 R121.2
/Bit 0/A Register/A DFF/~{Q}: Q1033.1 Q1037.1 Q1040.3 R434.2
/Bit 0/AIN: Q952.3 Q956.1 Q957.1 Q1048.1 R397.2
/Bit 0/P Register/P DFF/CLR: Q1077.3 Q1078.3 Q1091.2 Q1092.2 Q1097.2
/Bit 0/P Register/P DFF/Q: Q1084.3 Q1088.1 Q1089.1 R449.2
/Bit 0/P Register/P DFF/SET: Q1075.3 Q1076.3 Q1086.2 Q1087.2
/Bit 0/S Register/State FF/CLR: Q600.3 Q1107.2 Q1108.2 Q1113.2
/Bit 0/X Register/X DFF/D: Q1049.3 Q1051.3 Q1052.3 Q1053.3 Q1072.1 R438.2
/Bit 0/~{P}: Q1009.1 Q1012.1 Q1056.1 Q1073.1 Q1086.1 Q1089.3 Q1097.1 R452.2
/Bit 0/~{XIN}: Q967.1 Q978.1 Q981.3 Q993.1 Q1057.1 R409.2
/Bit 1/A Register/A DFF/~{Q}: Q950.1 Q954.1 Q957.3 R400.2
/Bit 1/AIN: Q869.3 Q873.1 Q874.1 Q965.1 R363.2
/Bit 1/P Register/P DFF/CLR: Q994.3 Q995.3 Q1008.2 Q1009.2 Q1014.2
/Bit 1/P Register/P DFF/Q: Q1001.3 Q1005.1 Q1006.1 R415.2
/Bit 1/P Register/P DFF/SET: Q992.3 Q993.3 Q1003.2 Q1004.2
/Bit 1/S Register/State FF/CLR: Q518.3 Q1024.2 Q1025.2 Q1030.2
/Bit 1/X Register/X DFF/D: Q966.3 Q968.3 Q969.3 Q970.3 Q989.1 R404.2
/Bit 1/~{P}: Q926.1 Q929.1 Q973.1 Q990.1 Q1003.1 Q1006.3 Q1014.1 R418.2
/Bit 1/~{XIN}: Q884.1 Q895.1 Q898.3 Q910.1 Q974.1 R375.2
/Bit 2/A Register/A DFF/~{Q}: Q867.1 Q871.1 Q874.3 R366.2
/Bit 2/AIN: Q786.3 Q790.1 Q791.1 Q882.1 R329.2
/Bit 2/P Register/P DFF/CLR: Q911.3 Q912.3 Q925.2 Q926.2 Q931.2
/Bit 2/P Register/P DFF/Q: Q918.3 Q922.1 Q923.1 R381.2
/Bit 2/P Register/P DFF/SET: Q909.3 Q910.3 Q920.2 Q921.2
/Bit 2/S Register/State FF/CLR: Q517.3 Q941.2 Q942.2 Q947.2
/Bit 2/X Register/X DFF/D: Q883.3 Q885.3 Q886.3 Q887.3 Q906.1 R370.2
/Bit 2/XOUT: Q893.3 Q897.1 Q898.1 Q912.1 R372.2
/Bit 2/~{P}: Q843.1 Q846.1 Q890.1 Q907.1 Q920.1 Q923.3 Q931.1 R384.2
/Bit 2/~{XIN}: Q801.1 Q812.1 Q815.3 Q827.1 Q891.1 R341.2
/Bit 3/A Register/A DFF/~{Q}: Q784.1 Q788.1 Q791.3 R332.2
/Bit 3/AIN: Q703.3 Q707.1 Q708.1 Q799.1 R295.2
/Bit 3/P Register/P DFF/CLR: Q828.3 Q829.3 Q842.2 Q843.2 Q848.2
/Bit 3/P Register/P DFF/Q: Q835.3 Q839.1 Q840.1 R347.2
/Bit 3/P Register/P DFF/SET: Q826.3 Q827.3 Q837.2 Q838.2
/Bit 3/S Register/State FF/CLR: Q435.3 Q858.2 Q859.2 Q864.2
/Bit 3/SOUT: Q851.3 Q855.1 Q856.1 R354.2
/Bit 3/X Register/X DFF/D: Q800.3 Q802.3 Q803.3 Q804.3 Q823.1 R336.2
/Bit 3/XOUT: Q810.3 Q814.1 Q815.1 Q829.1 R338.2
/Bit 3/~{P}: Q760.1 Q763.1 Q807.1 Q824.1 Q837.1 Q840.3 Q848.1 R350.2
/Bit 3/~{XIN}: Q718.1 Q729.1 Q732.3 Q744.1 Q808.1 R307.2
/Bit 4/A Register/A DFF/~{Q}: Q701.1 Q705.1 Q708.3 R298.2
/Bit 4/AIN: Q620.3 Q624.1 Q625.1 Q716.1 R261.2
/Bit 4/P Register/P DFF/CLR: Q745.3 Q746.3 Q759.2 Q760.2 Q765.2
/Bit 4/P Register/P DFF/Q: Q752.3 Q756.1 Q757.1 R313.2
/Bit 4/P Register/P DFF/SET: Q743.3 Q744.3 Q754.2 Q755.2
/Bit 4/S Register/State FF/CLR: Q434.3 Q775.2 Q776.2 Q781.2
/Bit 4/SOUT: Q768.3 Q772.1 Q773.1 R320.2
